# Altium PCB can-rs232.PcbDoc (continued)
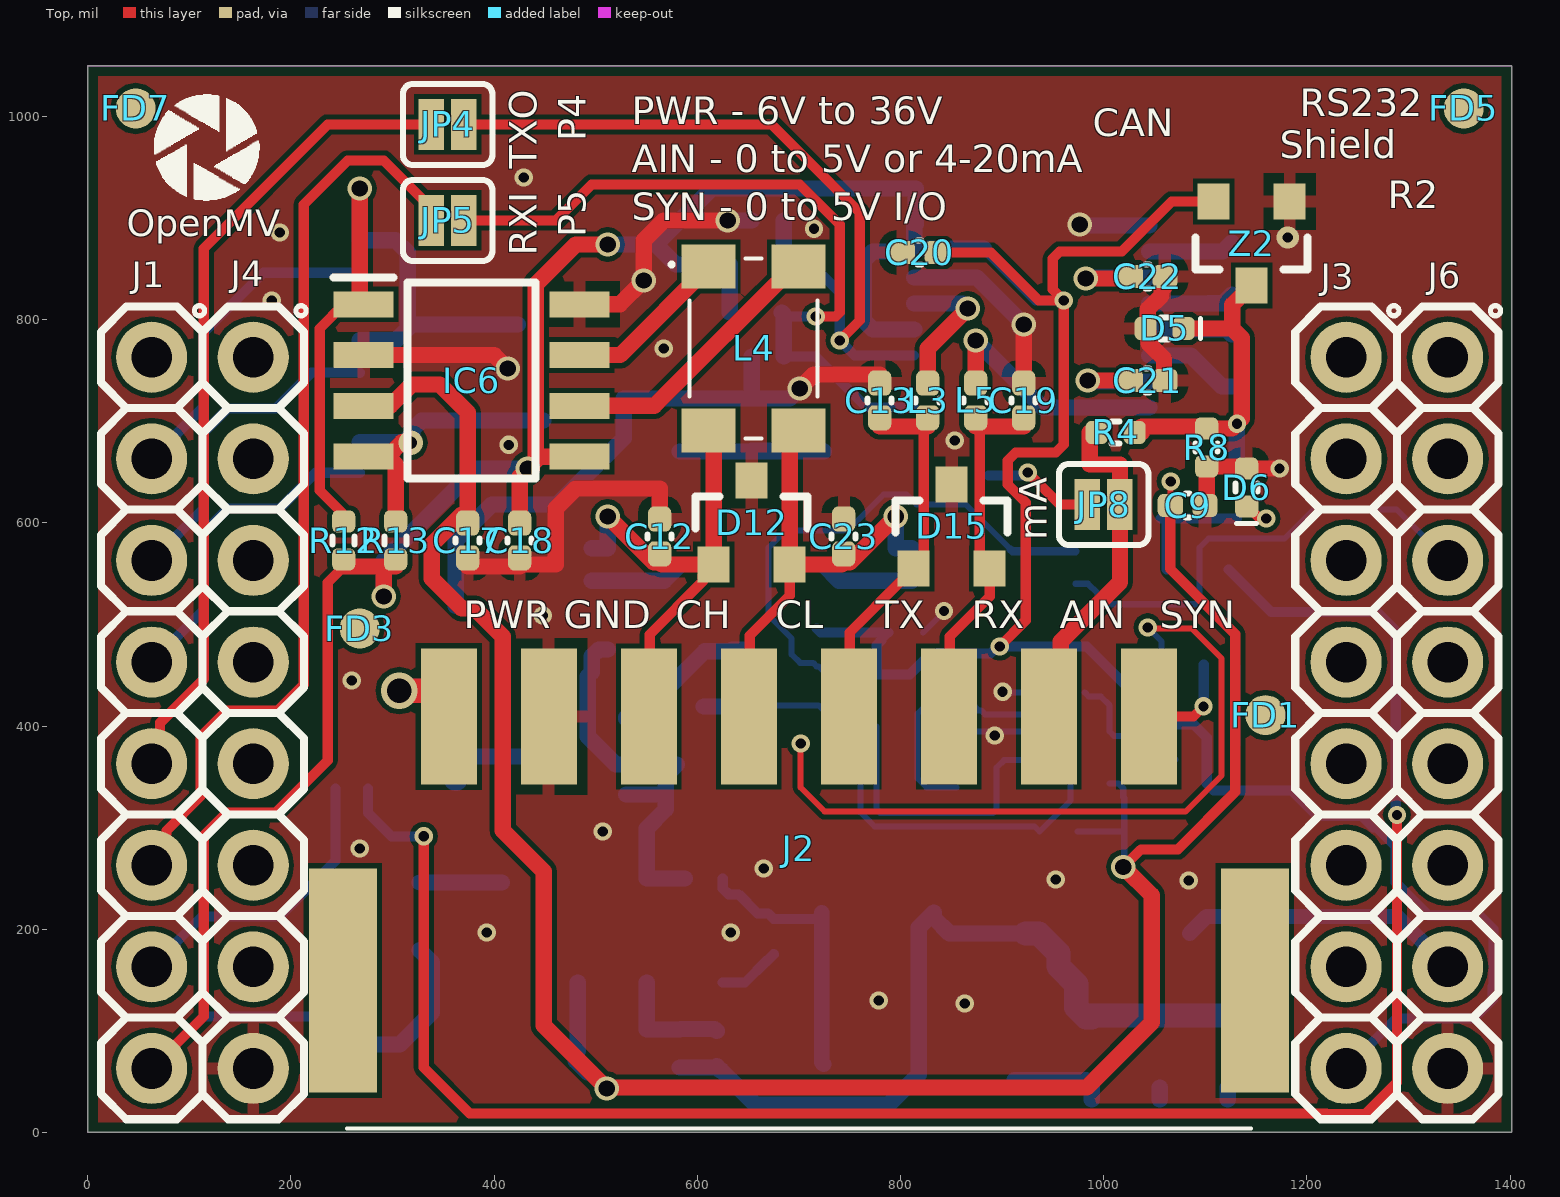
[diagram p0: Top view]
## Footprints (in the part's own frame and the unit in brackets; to place one, negate y for a bottom-side part, rotate by r counter-clockwise, add the part's x,y. Pads: shape width x height; smd on the part's side, far side on the other; paste and mask are expansions set on the pad) (continued)
SMAJ40CAE3TR13 [mm] "SMAJ40CAE3TR13"
  rect 1.9x2.39 smd: 1(-2.16,0) 2(2.16,0)
  silkscreen extent -3.8,-1.34 0.5,1.34, body extent -2.65,-1.47 2.63,1.45, height 2.41
SMT-JUMPER_2_NC_PASTE_SILK [mil] "SMT-JUMPER_2_NC_PASTE_SILK"
  rect 25x50 smd paste+0: 1(-16,0) 2(16,0)
  silkscreen extent -44,-40 44,40
SMT-JUMPER_2_NO_SILK [mil] "SMT-JUMPER_2_NO_SILK"
  rect 25x50 smd paste+0: 1(-16,0) 2(16,0)
  silkscreen extent -44,-40 44,40
SMT-JUMPER_3_1-NC_PASTE_SILK [mil] "SMT-JUMPER_3_1-NC_PASTE_SILK"
  rect 25x50 smd paste+0: 1(-32,0) 2(0,0) 3(32,0)
  silkscreen extent -60,-40 60,40
SOD3716X145N [mil] "SOD3716X145N"
  rect 47.24x29.53 smd: 1(-66.93,0) 2(66.93,0)
  silkscreen extent -91,-31 53,31, body extent -76,-27 76,27, height 32
SOIC127P600X175-8N [mm] "SOIC127P600X175-8N"
  rect 1.5x0.65 smd: 1(-2.7,1.905) 2(-2.7,0.635) 3(-2.7,-0.635) 4(-2.7,-1.905) 5(2.7,-1.905) 6(2.7,-0.635) 7(2.7,0.635) 8(2.7,1.905)
  silkscreen extent -3.45,-2.45 1.6,2.58, body extent -3.1,-2.45 3.1,2.45, height 1.75
SOP65P640X120-16N [mil] "SOP65P640X120-16N"
  rect 58.07x17.72 smd: 1(-115.67,89.57) 2(-115.67,63.98) 3(-115.67,38.39) 4(-115.67,12.8) 5(-115.67,-12.8) 6(-115.67,-38.39) 7(-115.67,-63.98) 8(-115.67,-89.57) 9(115.67,-89.57) 10(115.67,-63.98) 11(115.67,-38.39) 12(115.67,-12.8) 13(115.67,12.8) 14(115.67,38.39) 15(115.67,63.98) 16(115.67,89.57)
  silkscreen extent -145,-98 73,112, body extent -126,-98 126,98, height 44
SOT23-3 [mil] "SOT23-3"
  rect 31.5x35.43 smd: 1(-37.4,-39.37) 2(37.4,-39.37) 3(0,43.31)
  silkscreen extent -55,-4 55,28, body extent -59,-56 59,56, height 47
SOT65P210X110-5N [mm] "SOT65P210X110-5N"
  rect 1.2x0.4 smd: 1(-0.95,0.65) 2(-0.95,0) 3(-0.95,-0.65) 4(0.95,-0.65) 5(0.95,0.65)
  silkscreen extent -1.55,1.1 -0.35,1.1, body extent -1.01,-1.01 1.09,0.99, height 0.96
SOT65P212X110-5N [mm] "SOT65P212X110-5N"
  rect 1.05x0.4 smd: 1(-1,0.65) 2(-1,0) 3(-1,-0.65) 4(1,-0.65) 5(1,0.65)
  silkscreen extent -1.53,-1.02 0.12,1.1, body extent -1.01,-1.01 1.09,0.99, height 0.96
SOT95P280X100-6N [mil] "SOT95P280X100-6N"
  rect 41.34x21.65 smd: 1(-51.18,37.4) 2(-51.18,0) 3(-51.18,-37.4) 4(51.18,-37.4) 5(51.18,0) 6(51.18,37.4)
  silkscreen extent -72,-57 17,62, body extent -56,-59 56,59, height 44
SOT95P280X145-5N [mil] "SOT95P280X145-5N"
  rect 47.24x23.62 smd: 1(-49.21,37.4) 2(-49.21,0) 3(-49.21,-37.4) 4(49.21,-37.4) 5(49.21,37.4)
  silkscreen extent -73,-57 12,59, body extent -55,-59 55,59, height 46
SOTFL95P240X88-3N [mm] "SOTFL95P240X88-3N"
  rect 0.575x0.62 smd: 1(-1.188,0.95) 2(-1.188,-0.95) 3(1.188,0)
  silkscreen extent -1.47,-1.45 0.55,1.51, body extent -1.42,-1.5 1.42,1.5, height 1.11
SRF4532101Y [mm] "SRF4532101Y"
  rect 1.1x1.35 smd: 1(-2.05,-0.875) 2(2.05,-0.875) 3(2.05,1.375) 4(-2.05,1.375)
  silkscreen extent -2.25,-1.85 2.25,1.85, body extent -2.25,-1.35 2.25,1.85, height 2.8

## Part data
C1 C9 C10 C11 C14 C16 C17 C18 C20 C21 C22: library part CAP0402-CAP, "CapacitorStandard 0603 ceramic capacitor, and 0.1\" leaded capacitor.", MPN=GRM155R71H104KE14D, DeviceName=0402-CAP, DeviceSetName=CAP, GateName_1=G$1, LibraryName=sfe, SymbolName_1=CAP
C2 C12 C13 C19 C23: library part CAP0402-CAP, "CapacitorStandard 0603 ceramic capacitor, and 0.1\" leaded capacitor.", MPN=CC0402JRNPO9BN101, DeviceName=0402-CAP, DeviceSetName=CAP, GateName_1=G$1, LibraryName=sfe, SymbolName_1=CAP
C3 C4 C6 C7 C8: library part 22UF-0805-6.3V-20%, "22ÂµF ceramic capacitors    A capacitor is a passive two-terminal electrical component used to store electrical energy temporarily in an electric field.", MPN=CL21A226MQQNNNE, DeviceName=-0805-6.3V-20%, DeviceSetName=22UF, GateName_1=G$1, LibraryName=SparkFun-Capacitors, PROD_ID=CAP-08402, SymbolName_1=CAP
C5: library part C-EUC0805, "CAPACITOR, European symbol", MPN=GRM21BR61H106KE43K, DeviceName=C0805, DeviceSetName=C-EU, GateName_1=G$1, LibraryName=rcl, POPULARITY=88, SPICEPREFIX=C, SymbolName_1=C-EU
C15: library part CAP0402-CAP, "CapacitorStandard 0603 ceramic capacitor, and 0.1\" leaded capacitor.", MPN=GRM155R71H472JA01D, DeviceName=0402-CAP, DeviceSetName=CAP, GateName_1=G$1, LibraryName=sfe, SymbolName_1=CAP
D1 D3: "Diodes - General Purpose, Power, Switching GP Si Rectifier SMB,2A,40V   Source:  Datasheet", MANUFACTURER_NAME=Rectron, DeviceSetName=FM240A, GateName_1=G$1, HEIGHT=2.31mm, LibraryName=FM240A, MANUFACTURER_PART_NUMBER=FM240A, MOUSER_PART_NUMBER=583-FM240A, MOUSER_PRICE-STOCK=https://www.mouser.co.uk/ProductDetail/Rectron/FM240A?qs=7pEAo90IqNG7sknZwmLYhQ%3D%3D, MPN=FM240A, SymbolName_1=FM240A
D2 D5 D6 D7 D8 D9 D10 D11 D13 D14: "ESD Suppressors / TVS Diodes DIODE ESD 5VWM 65W 0402/SOD-923F   Source:  Datasheet", MANUFACTURER_NAME="Comchip Technology", DeviceSetName=CPDQT5V0HE-HF, GateName_1=G$1, HEIGHT=0.42mm, LibraryName=CPDQT5V0HE-HF, MANUFACTURER_PART_NUMBER=CPDQT5V0HE-HF, MOUSER_PART_NUMBER=MOUSER_PART_NUMBER, MOUSER_PRICE-STOCK=MOUSER_PRICE-STOCK, MPN=CPDQT5V0HE-HF, SymbolName_1=CPDQT5V0HE-HF
D4: "ESD Suppressors / TVS Diodes TVS   Source:  Datasheet", MANUFACTURER_NAME=Microchip, MANUFACTURER_PART_NUMBER=SMAJ40CAe3/TR13, DeviceSetName=SMAJ40CAE3_TR13, GateName_1=G$1, HEIGHT=3.05mm, LibraryName=SMAJ40CAe3_TR13, MOUSER_PART_NUMBER=494-SMAJ40CAE3/TR13, MOUSER_PRICE-STOCK=https://www.mouser.co.uk/ProductDetail/Microchip-Technology/SMAJ40CAe3-TR13?qs=pU29NIZ4ZwCw3PnlxOleOw%3D%3D, MPN=SMAJ40CAe3/TR13, SymbolName_1=SMAJ40CAE3_TR13
D12 D15: "CAN bus ESD protection diode    PESD1CAN is used to protect two CAN bus lines from ESD.   Link to datasheet   SparkFun Products: SparkFun CAN-BUS Shield", MPN=VCAN36A2-03S-E3-08, DeviceSetName=PESD1CAN, GateName_1=G$1, LibraryName=SparkFun-DiscreteSemi, PROD_ID=DIO-12501, SymbolName_1=PESD1CAN_DIODE
FD1 FD2 FD3 FD4 FD5 FD6 FD7 FD8: "Fiducial Alignment Points    Point-of-reference for pick-and-place machines and other optical instruments.", DeviceName=1X2, DeviceSetName=FIDUCIAL, GateName_1=G$1, LibraryName=SparkFun-Aesthetics, SymbolName_1=FIDUCIAL
IC1: "6-uA Quiescent Current, 1.8-A Switch Current Boost Converter   Source:  Datasheet", MANUFACTURER_NAME="Texas Instruments", DeviceSetName=TPS613222ADBVR, GateName_1=G$1, HEIGHT=1.45mm, LibraryName=TPS613222ADBVR, MANUFACTURER_PART_NUMBER=TPS613222ADBVR, MOUSER_PART_NUMBER=595-TPS613222ADBVR, MOUSER_PRICE-STOCK=https://www.mouser.co.uk/ProductDetail/Texas-Instruments/TPS613222ADBVR?qs=W0yvOO0ixfE4d69WXsn8NQ%3D%3D, MPN=TPS613222ADBVR, SymbolName_1=TPS613222ADBVR
IC2: "Switching Voltage Regulators DCDC Conv HV Buck TSOT26(STD) T&R 3K   Source:  Datasheet", MANUFACTURER_NAME="Diodes Inc.", DeviceSetName=AP64060WU-7, GateName_1=G$1, HEIGHT=1mm, LibraryName=AP64060WU-7, MANUFACTURER_PART_NUMBER=AP64060WU-7, MOUSER_PART_NUMBER=621-AP64060WU-7, MOUSER_PRICE-STOCK=https://www.mouser.co.uk/ProductDetail/Diodes-Incorporated/AP64060WU-7?qs=Li%252BoUPsLEntiZYjFw%252BCbiQ%3D%3D, MPN=AP64060WU-7, SymbolName_1=AP64060WU-7
IC3: "1-Channel industry standard low voltage operational amplifier   Source:  Datasheet", MANUFACTURER_NAME="Texas Instruments", DeviceSetName=LM321LVIDCKR, GateName_1=G$1, HEIGHT=1.1mm, LibraryName=LM321LVIDCKR, MANUFACTURER_PART_NUMBER=LM321LVIDCKR, MOUSER_PART_NUMBER=595-LM321LVIDCKR, MOUSER_PRICE-STOCK=https://www.mouser.co.uk/ProductDetail/Texas-Instruments/LM321LVIDCKR?qs=qSfuJ%252Bfl%2Fd6RcyTOjkRx5Q%3D%3D, MPN=LM321LVIDCKR, SymbolName_1=LM321LVIDCKR
IC4: "74LVC1G07 - Buffer with open-drain output@en-us   Source:  Datasheet", MANUFACTURER_NAME=Nexperia, DeviceSetName=74LVC1G07GW,125, GateName_1=G$1, HEIGHT=1.1mm, LibraryName=74LVC1G07GW_125, MANUFACTURER_PART_NUMBER=74LVC1G07GW,125, MOUSER_PART_NUMBER=771-74LVC1G07GW-G, MOUSER_PRICE-STOCK=https://www.mouser.co.uk/ProductDetail/Nexperia/74LVC1G07GW125?qs=me8TqzrmIYW763Mg%2FG86Uw%3D%3D, MPN=74LVC1G07GW,125, SymbolName_1=74LVC1G07GW,125
IC5: "3-V To 5.5-V Single Channel RS-232 1 Mbit/s Line Driver/Receiver   Source:  Datasheet", MANUFACTURER_NAME="Texas Instruments", DeviceSetName=SN65C3221EPWR, GateName_1=G$1, HEIGHT=1.2mm, LibraryName=SN65C3221EPWR, MANUFACTURER_PART_NUMBER=SN65C3221EPWR, MOUSER_PART_NUMBER=595-SN65C3221EPWR, MOUSER_PRICE-STOCK=https://www.mouser.co.uk/ProductDetail/Texas-Instruments/SN65C3221EPWR?qs=6siQ5y5nVCwNDulozFTH8A%3D%3D, MPN=SN65C3221EPWR, SymbolName_1=SN65C3221EPWR
IC6: "Microchip MCP2542FD-E/SN, CAN Transceiver 8Mbit/s 1-Channel CAN, ISO 11898-2, ISO 11898-5, ISO/DIS11898-2, 8-Pin SOIC   Source:  Datasheet", MANUFACTURER_NAME=Microchip, MANUFACTURER_PART_NUMBER=MCP2542FD-E/SN, DeviceSetName=MCP2542FD-E_SN, GateName_1=G$1, HEIGHT=1.75mm, LibraryName=MCP2542FD-E_SN, MOUSER_PART_NUMBER=579-MCP2542FD-E/SN, MOUSER_PRICE-STOCK=https://www.mouser.co.uk/ProductDetail/Microchip-Technology-Atmel/MCP2542FD-E-SN?qs=qdgZG5p0FZ5pNizBl1u80Q%3D%3D, MPN=MCP2542FD-E/SN, SymbolName_1=MCP2542FD-E_SN
J1 J3 J4 J6: library part HDR_1X8, MANUFACTURER P/N=SSQ-108-03-T-S
J2: "PCB terminal block, nominal current: 6 A, rated voltage (III/2): 160 V, nominal cross section: 0.5 mm?, Number of potentials: 8, Number of rows: 1, Number of positions per row: 8, product range: PTSM 0,5/..-H-SMD, pitch: 2.5 mm, connection method: Push-in spring connection, mounting: SMD soldering, conductor/PCB connection direction: 0 ?, color: black, Pin layout: Linear pad geometry, type of packaging: packed in cardboard   Source:  Datasheet", MANUFACTURER_NAME="Phoenix Contact", DeviceSetName=1771088, GateName_1=G$1, HEIGHT=5.22mm, LibraryName=1771088, MANUFACTURER_PART_NUMBER=1771088, MOUSER_PART_NUMBER=651-1771088, MOUSER_PRICE-STOCK=https://www.mouser.co.uk/ProductDetail/Phoenix-Contact/1771088?qs=Q77YN%2FRrsKIDMojcNKtpFQ%3D%3D, MPN=1771088, SymbolName_1=1771088
JP1 JP3 JP4 JP5 JP6 JP7 JP10 JP11: "Normally closed solder jumper    This jumper has an aperture in the stencil to allow solder paste to bridge the split in the wire so it's normally closed (NC). Wick off the solder to open the connection. Reapply solder to reclose the connection.", DeviceName=_SILK, DeviceSetName=JUMPER-SMT_2_NC_PASTE, GateName_1=G$1, LibraryName=SparkFun-Jumpers, SymbolName_1=SMT-JUMPER_2_NC_PASTE
JP2 JP8: "Normally open jumper    This jumper has two pads in close proximity to each other. Apply solder to close the connection.   Round pads are easier to solder for beginners, but are a lot larger.   SparkFun Product that uses the round pads:  SparkFun EL Sequencer", DeviceName=_SILK, DeviceSetName=JUMPER-SMT_2_NO, GateName_1=G$1, LibraryName=SparkFun-Jumpers, SymbolName_1=SMT-JUMPER_2_NO
JP9: "Normally closed solder jumper (1 of 2 connections)    This jumper has an aperture in the stencil to allow solder paste to bridge one of the two connections. One connection is normally closed (NC), while the other is normally open (NO). Wick off the solder to open the connection. Reapply solder to reclose the connection. Apply solder to the other side instead to change the current path.", DeviceName=_SILK, DeviceSetName=JUMPER-SMT_3_1-NC_PASTE, GateName_1=G$1, LibraryName=SparkFun-Jumpers, SymbolName_1=SMT-JUMPER_3_1-NC_PASTE
L1: "Fixed Inductors 4018 10uH 180mOhms +/-20%Tol 1200mA   Source:  Datasheet", MANUFACTURER_NAME="TAIYO YUDEN", DeviceSetName=NRS4018T100MDGJ, GateName_1=G$1, HEIGHT=1mm, LibraryName=NRS4018T100MDGJ, MANUFACTURER_PART_NUMBER=NRS4018T100MDGJ, MOUSER_PART_NUMBER=963-NRS4018T100MDGJ, MOUSER_PRICE-STOCK=https://www.mouser.co.uk/ProductDetail/TAIYO-YUDEN/NRS4018T100MDGJ?qs=PzICbMaShUeiyHfvjt6KEw%3D%3D, MPN=NRS4018T100MDGJ, SymbolName_1=NRS4018T100MDGJ
L2: "INDUCTOR, METAL CORE Check availability", PACKAGE="2016 Taiyo Yuden", AVAILABILITY="In Stock", DeviceSetName=MAKK2016T2R2M, GateName_1=G$1, LibraryName=MAKK2016T2R2M, MF="Taiyo Yuden", MP=MAKK2016T2R2M, MPN=MAKK2016T2R2M, PRICE=None, PURCHASE-URL=https://pricing.snapeda.com/search/part/MAKK2016T2R2M/?ref=eda, SymbolName_1=MAKK2016T2R2M
L3 L5: library part INDUCTOR0402, "InductorsBasic Inductor/Choke - 0603 and 1206. Footprints are not proven and vary greatly between part numbers.", MPN=MFBM1V1005-101-R, DeviceName=0402, DeviceSetName=INDUCTOR, GateName_1=G$1, LibraryName=sfe, SymbolName_1=INDUCTOR
L4: "Bourns Type 4532 Wire-wound SMD Inductor with a Ferrite Core, 11 uH -30  +50% Wire-Wound 300mA Idc   Source:  Datasheet", MANUFACTURER_NAME=Bourns, DeviceSetName=SRF4532-110Y, GateName_1=G$1, HEIGHT=3mm, LibraryName=SRF4532-110Y, MANUFACTURER_PART_NUMBER=SRF4532-110Y, MOUSER_PART_NUMBER=652-SRF4532-110Y, MOUSER_PRICE-STOCK=https://www.mouser.co.uk/ProductDetail/Bourns/SRF4532-110Y?qs=u649AIwumF8o5t6hcAfmlw%3D%3D, MPN=SRF4532-110Y, SymbolName_1=SRF4532-110Y
Q1: "MOSFET Small-signal MOSFET ID: -2A, VDSS: -60V   Source:  Datasheet", MANUFACTURER_NAME=Toshiba, DeviceSetName=SSM3J356R,LF, GateName_1=G$1, HEIGHT=0.88mm, LibraryName=SSM3J356R_LF, MANUFACTURER_PART_NUMBER=SSM3J356R,LF, MOUSER_PART_NUMBER=757-SSM3J356RLF, MOUSER_PRICE-STOCK=https://www.mouser.co.uk/ProductDetail/Toshiba/SSM3J356RLF?qs=lhkzy8lC%252BSsL%2F1yLGjMnQA%3D%3D, MPN=SSM3J356R,LF, SymbolName_1=SSM3J356R,LF
R1: library part RESISTOR0402-RES, "ResistorBasic schematic elements and footprints for 0603, 1206, and PTH resistors.", MPN=RC0402FR-07133KL, DeviceName=0402-RES, DeviceSetName=RESISTOR, GateName_1=G$1, LibraryName=sfe, SymbolName_1=RESISTOR
R2: library part RESISTOR0402-RES, "ResistorBasic schematic elements and footprints for 0603, 1206, and PTH resistors.", MPN=CR0402-FX-2212GLF, DeviceName=0402-RES, DeviceSetName=RESISTOR, GateName_1=G$1, LibraryName=sfe, SymbolName_1=RESISTOR
R3 R6 R7 R8: library part RESISTOR0402-RES, "ResistorBasic schematic elements and footprints for 0603, 1206, and PTH resistors.", MPN=AC0402FR-07100KL, DeviceName=0402-RES, DeviceSetName=RESISTOR, GateName_1=G$1, LibraryName=sfe, SymbolName_1=RESISTOR
R4: library part RESISTOR0402-RES, "ResistorBasic schematic elements and footprints for 0603, 1206, and PTH resistors.", MPN=RC0402JR-0751KL, DeviceName=0402-RES, DeviceSetName=RESISTOR, GateName_1=G$1, LibraryName=sfe, SymbolName_1=RESISTOR
R5 R9: library part R-US_R0603, "RESISTOR, American symbol", MPN=CR0603-FX-4700ELF, DeviceName=R0603, DeviceSetName=R-US_, GateName_1=G$1, LibraryName=rcl, POPULARITY=77, SPICEPREFIX=R, SymbolName_1=R-US
R10 R12 R13 R14 R15: library part RESISTOR0402-RES, "ResistorBasic schematic elements and footprints for 0603, 1206, and PTH resistors.", MPN=AC0402FR-1310KL, DeviceName=0402-RES, DeviceSetName=RESISTOR, GateName_1=G$1, LibraryName=sfe, SymbolName_1=RESISTOR
R11: library part R-US_R0603, "RESISTOR, American symbol", MPN=RK73B1JTTD241J, DeviceName=R0603, DeviceSetName=R-US_, GateName_1=G$1, LibraryName=rcl, POPULARITY=77, SPICEPREFIX=R, SymbolName_1=R-US
R16 R17: library part R-US_R1206, "RESISTOR, American symbol", MPN=RC1206FR-0760R4L, DeviceName=R1206, DeviceSetName=R-US_, GateName_1=G$1, LibraryName=rcl, POPULARITY=19, SPICEPREFIX=R, SymbolName_1=R-US
U1: "DiodesZetex 74LVC1G17SE-7, Buffer, Push-Pull, Non-Inverting, 1.65  5.5 V, 5-Pin SOT-353   Source:  Datasheet", MANUFACTURER_NAME="Diodes Inc.", DeviceSetName=74LVC1G17SE-7, GateName_1=G$1, HEIGHT=1.1mm, LibraryName=74LVC1G17SE-7, MANUFACTURER_PART_NUMBER=74LVC1G17SE-7, MOUSER_PART_NUMBER=621-74LVC1G17SE-7, MOUSER_PRICE-STOCK=https://www.mouser.co.uk/ProductDetail/Diodes-Incorporated/74LVC1G17SE-7?qs=FRHfhEBFk1dzIcstjqNcyA%3D%3D, MPN=74LVC1G17SE-7, SymbolName_1=74LVC1G17SE-7
Z1 Z3: "Zener Diode 5.1V 5% 500mW SOD123 Diodes Inc MMSZ5231B-7-F Zener Diode, 5.1V 5% 0.5 W SMT 2-Pin SOD-123   Source:  Datasheet", MANUFACTURER_NAME="Diodes Inc.", DeviceSetName=MMSZ5231B-7-F, GateName_1=G$1, HEIGHT=1.45mm, LibraryName=MMSZ5231B-7-F, MANUFACTURER_PART_NUMBER=MMSZ5231B-7-F, MOUSER_PART_NUMBER=621-MMSZ5231B-F, MOUSER_PRICE-STOCK=https://www.mouser.co.uk/ProductDetail/Diodes-Incorporated/MMSZ5231B-7-F?qs=2ygBApjwyeMh7Sf0YL1qSw%3D%3D, MPN=MMSZ5231B-7-F, SymbolName_1=MMSZ5231B-7-F

## Via types
v1: diameter 18, hole 10, Top to Bottom, tented both sides, 21 vias
v2: diameter 24/24 (per signal layer), hole 16, Top to Bottom, tented both sides, 18 vias
v3: diameter 18/18 (per signal layer), hole 10, Top to Bottom, tented both sides, 14 vias
v4: diameter 36/36 (per signal layer), hole 24, Top to Bottom, tented both sides, 1 vias
v5: diameter 24/24 (per signal layer), hole 12, Top to Bottom, tented both sides, 1 vias
v6: diameter 22, hole 10, Top to Bottom, tented both sides, 1 vias

## Nets (pads, with @x,y where several pads share a name; then routed paths per layer and width w, separated by ;. In a path a pad name is that pad's centre, name@x,y a point inside that pad or via, vN(x,y) a via of type N, cw(c..) or ccw(c..) an arc to the next point about the centre after c; other vN are vias at no path point)
AIN: J2.7 JP8.2 R4.2 | length 337.1
  Top w16: J2.7@948.82,409.45 957.64,418.27 957.64,483.23 1016,541.59 JP8.2 1016,657.48 986.22,657.48 R4.2@986.22,688.98
AIN_INT: D5.1 IC3.1 R4.1 R8.1 Z2.3 | length 345.3
  Top w16: R4.1@1037.4,688.98 1037.4,694.88 R8.1@1103.94,694.88 ; D5.1 1126.58,791.34 ; R8.1 1126.58,692.91 v1(1131.27,697.6) 1131.27,698.14 1135.95,702.83 1135.95,781.96 1126.58,791.34 ; Z2.3 1145.67,831.69 1137.92,823.94 1135.95,823.94 1126.58,814.57 1126.58,791.34
  Bottom w16: IC3.1 1130.9,697.23 v1(1131.27,697.6)
AIN_OUT: D6.1 IC3.3 IC3.4 R5.1 | length 150.4
  Top w10: D6.1 1141.62,616.14 1152.01,605.75 1158.46,605.75 v1(1159.99,604.22)
  Bottom w10: IC3.4 IC3.4@1059.13,604.33 ; R5.1 1062.01,601.46 IC3.4@1059.13,604.33 ; IC3.3 IC3.4@1059.13,604.33
AIN_S: JP8.1 R11.2 | length 111.5
  Top w10: v3(925.2,649.61) 956.69,618.11 JP8.1
  Bottom w10: R11.2@886.81,646.65 922.24,646.65 v3(925.2,649.61)
C1+: C14.1 IC5.2 | length 84.8
  Bottom w16: IC5.2 1117.13,867.13 C14.1@1125.98,875.98
C1-: C14.2 IC5.4 | length 84.9
  Bottom w16: IC5.4@1044.8,815.94 1102.68,815.94 1102.88,816.15 1117.33,816.15 C14.2@1125.98,824.8
C2+: C16.2 IC5.5 | length 83.2
  Bottom w16: IC5.5 1121.06,790.35 C16.2@1125.98,785.43
C2-: C16.1 IC5.6 | length 93.8
  Bottom w16: IC5.6 1085.63,764.76 1116.14,734.25 C16.1@1125.98,734.25
CAN_RX: D11.1 IC6.4 JP3.1 R13.2 | length 308.4
  Top w16: IC6.4 295.47,665.16 303.15,657.48 R13.2@303.15,608.27 ; IC6.4@295.08,665.16 309.23,679.31 316.4,679.31 v5@317.93,680.84
  Bottom w16: JP3.1@267.72,679.39 317.42,679.39 v5(317.93,678.87) ; v5@315.32,683.45 318.38,683.45 319.46,684.53 319.46,691.59 328.67,700.79 D11.1@448.7,700.79
CAN_RX_INT: J1.4 JP3.2 | length 326.7
  Bottom w10: J1.4 114.17,514.17 114.17,590.55 137.8,614.17 188.98,614.17 224.16,649.35 JP3.2@267.72,649.35
CAN_S: C15.1 R16.1 R17.2 | length 213.1
  Bottom w16: R16.1@582.68,670.16 724.41,670.16 723.31,671.26 C15.1@653.54,671.26
CAN_TX: D10.1 IC6.1 JP1.2 JP2.2 R12.2 | length 701.5
  Top w10: R12.2@251.97,608.27 228.35,631.89 228.35,791.34 252.17,815.16 IC6.1
  Top w16: v2(267.72,929.13) 267.72,819.09 IC6.1
  Bottom w16: JP2.2 303.4,779.78 314.96,791.34 ; v2(267.72,929.13) 267.72,878.2 302.9,878.2 314.96,866.14 314.96,791.34 ; D10.1@423.23,795.28 318.9,795.28 314.96,791.34
CAN_TX_INT: J1.2 JP1.1 | length 323.5
  Bottom w10: J1.2 114.17,714.17 114.17,787.4 172.98,846.2 JP1.1@267.72,846.2
CAN_TX_INT_2: J1.3 JP2.1 | length 325.3
  Bottom w10: J1.3 114.17,614.17 114.17,688.98 137.8,712.6 185.04,712.6 220.47,748.03 267.46,748.03 JP2.1
CANH: C12.2 D12.1 J2.3 JP10.2 L4.2 | length 480.5
  Top w10: J2.3@553.15,409.45 553.15,490.16 605.39,542.4 605.39,548.31 D12.1
  Top w16: v2(511.81,606.3) 557.09,561.02 562.99,561.02 564.96,559.06 D12.1 616.14,686.02 L4.2
  Bottom w16: JP10.2 511.81,575.06 v2(511.81,606.3)
CANH_INT: IC6.7 L4.1 | length 163.1
  Top w16: IC6.7 524.02,765.16 L4.1
CANH_J: JP10.1 R16.2 | length 92.9
  Bottom w16: JP10.1 567.54,543.06 R16.2@582.68,558.19
CANL: C23.1 D12.2 J2.4 JP11.1 L4.3 | length 472.4
  Top w10: J2.4@651.58,409.45 651.58,489.18 690.94,528.54 D12.2
  Top w16: L4.3 690.94,682.09 D12.2 742.13,559.06 744.09,561.02 750,561.02 v2(795.28,606.3)
  Bottom w16: v2(795.28,606.3) 795.28,575.06 JP11.1
CANL_INT: IC6.6 L4.4 | length 272.4
  Top w16: IC6.6 557.68,715.16 694.88,852.36 L4.4
CANL_J: JP11.2 R17.1 | length 92.9
  Bottom w16: R17.1@724.41,558.19 739.54,543.06 JP11.2
EXT_RXI: C19.1 D15.2 J2.6 L5.2 | length 354.7
  Top w10: J2.6@848.43,409.45 848.43,488.19 887.79,527.55 D15.2 877.95,564.96 877.95,690.94 L5.2@874.02,694.88
  Top w16: L5.2@874.02,694.88 C19.1@921.26,694.88
EXT_TXO: C13.2 D15.1 J2.5 L3.2 | length 365.6
  Top w10: J2.5@750,409.45 750,492.13 800.27,542.4 802.24,542.4 812.99,553.15 D15.1 822.83,564.96 822.83,690.94 L3.2@826.77,694.88
  Top w16: C13.2@779.53,694.88 L3.2@826.77,694.88
EXT_VIN: D4.2 J2.1 Q1.3 | length 263.3
  Top w24: v4(306.77,434.91) 342.71,434.91 358.27,419.35 J2.1@358.27,409.45
  Bottom w16: D4.2@362.2,370.08 Q1.3@425.67,370.08
  Bottom w24: v4(306.77,434.91) 344.61,434.91 362.2,417.32 362.2,370.08 D4.2
EXT_VIN_BST: C1.1 IC2.1 | length 62.1
  Bottom w10: IC2.1 647.05,147.64 668.37,168.96 668.85,168.96 675.2,175.31 C1.1
EXT_VIN_FB: C2.2 IC2.3 R1.2 R2.1 | length 115.4
  Bottom w16: R2.1 IC2.3 ; R2.1 R1.2@582.64,101.42 ; R1.2@583.26,101.96 616.94,101.96 C2.2
EXT_VIN_G: Q1.1 R3.1 Z1.2 | length 164.6
  Bottom w16: Q1.1 530.04,408.37 533.36,411.69 545.54,411.69 550.55,416.69 566.89,416.69 R3.1@568.9,418.7 ; R3.1 571.5,421.89 571.5,437.64 607.42,473.56 643.84,473.56 Z1.2 Z1.2@634.33,475.39
EXT_VIN_INT: C5.1 IC2.4 IC2.5 Q1.2 Z1.1 | length 397.7
  Bottom w16: Z1.1 502.96,475.39 496.19,468.63 496.19,452.88 492.13,448.82 492.13,389.76 519.69,362.2 C5.1 569.03,351.51 569.03,318.05 550.2,299.21 IC2.4 IC2.5 ; Q1.2 C5.1@567.91,332.68
EXT_VIN_OUT: C2.1 C6.2 C7.2 C8.2 D1.2 L1.2 R1.1 | length 786.1
  Bottom w16: R1.1 617.52,63.98 C2.1 619.09,64.57 622.51,61.15 623.5,61.15 657.09,27.56 788.39,27.56 817.91,57.09 817.91,201.77 L1.2 832.68,211.49 848.3,195.87 D1.2
  Bottom w24: D1.2 936.02,195.87 955.52,176.37 955.52,163.58 973.08,146.01 973.08,123.04 982.93,113.19 C6.2 ; C6.2@988.19,115.15 C7.2@1122.04,115.15
EXT_VIN_SW: C1.2 D3.1 IC2.6 L1.1 | length 272.7
  Bottom w10: IC2.6 625,240.15 630.82,234.33 640.66,234.33 659.3,215.69 669.54,215.69 C1.2 715.94,210.04 L1.1
  Bottom w15: L1.1 722.44,69.04 D3.1@724.42,67.06
GND: C3.1 C4.1 C5.2 C6.1 C7.1 C8.1 C9.1 C10.1 C11.1 C12.1 C13.1 C15.2 C17.2 C18.2 C19.2 C20.2 C21.2 C22.2 C23.2 D2.2 D3.2 D4.1 D5.2 D6.2 D7.2 D8.2 D9.2 D10.2 D11.2 D12.3 D13.2 D14.2 D15.3 IC1.2 IC2.2 IC3.2 IC4.3 IC5.1 IC5.14 IC6.2 IC6.8 J2.2 J4.8 J6.8 R2.2 R3.2 R8.2 R11.1 U1.3 Z2.1 Z3.2 | length 2110.4
  Top w16: IC6.2 400.2,765.16 v2(413.39,751.97) ; C17.2@374.02,557.09 425.2,557.09 427.17,559.06 460.63,559.06 460.63,614.17 480.32,633.86 562.99,633.86 C12.1@562.99,612.2 ; IC6.8 523.82,815.16 v2(547.24,838.58) 547.24,877.95 566.93,897.64 v2(629.92,897.64) ; v2(700.79,732.28) 714.57,746.06 C13.1@779.53,746.06 ; C19.2@921.26,746.06 v2(921.26,795.28) ; C22.2@1060.29,832.99 C22.2@1060.29,842.43 ; C22.2 C22.2@1060.29,842.43 ; C21.2 1059.43,741.17 1059.43,761.44 1044.16,776.7 1044.16,788.51 D5.2 1043.44,793.44 1043.44,810.18 1056.97,823.7 1056.97,839.1 C22.2@1060.29,842.43 ; C9.1 1101.38,618.7 R8.2 1138.78,655.51 D6.2 v1(1173.16,653.54)
  Bottom w6: C10.1 842.85,512.73 v1(842.85,513.3) ; IC4.3 868.11,399.61 873.03,394.68 U1.3 ; v1(900.53,433.8) 901.25,433.07 D9.2
  Bottom w16: D4.1 362.2,582.68 397.64,618.11 462.2,618.11 527.56,683.46 527.56,700.79 527.56,722.44 C15.2@653.54,722.44 ; R3.2 640.74,419.29 D7.2 641.73,375 C5.2 ; v2(629.92,897.64) D13.2@653.54,897.64 ; D14.2@653.54,763.78 C15.2@653.54,722.44 ; v2(700.79,732.28) 690.94,722.44 C15.2@653.54,722.44 ; IC5.14 875,841.54 v2(921.26,795.28) ; D3.2@912.32,51.59 982.87,51.59 C6.1 ; v2(976.38,893.7) 977.36,892.72 IC5.1 ; C6.1@988.19,32.48 C6.1@988.19,44.29 ; C8.1@1055.12,32.48 C8.1@1055.12,44.29 ; C7.1@1122.04,32.48 C7.1@1122.04,44.29
  other v1: 863.19,126.97 778.54,129.92 392.72,196.85 632.87,196.85 1083.66,248.03 952.76,249.02 665.35,259.84 506.89,296.26 892.72,390.75 447.83,508.86 853.35,681.1 429.13,939.96
  other v3: 267.72,279.53 259.84,444.88 414.43,676.8 566.93,771.65 181.1,818.9 188.98,885.83 714.92,889.53
  other v6: 1181.1,880.91
P6_ADC: JP6.2 R5.2 | length 1940.7
  Top w10: v3(330.71,291.63) 330.71,63.98 375.98,18.7 1219.23,18.7 1219.94,17.99 1257.22,17.99 1288.63,49.4 v3(1288.63,312.54)
  Bottom w10: JP6.2@275.84,338.58 275.84,314.71 299.21,291.34 330.71,291.34 v3(330.71,291.63) ; R5.2 1164.75,512.42 1268.88,512.42 1287.4,493.9 1287.4,313.77 v3(1288.63,312.54)
P6_ADC_INT: J1.7 JP6.1 | length 295.2
  Bottom w10: J1.7 112.6,212.6 188.98,212.6 243.84,267.46 JP6.1@243.84,338.58
P10_FSYNC: D8.1 IC4.4 JP7.2 R7.2 U1.2 | length 863.9
  Bottom w6: D8.1 864.17,618.11 815.94,618.11 806.1,627.95 783.46,627.95 748.03,592.52 687.01,592.52 670.28,575.79 670.28,508.86 692.91,486.22 692.91,470.47 701.25,462.13 714.05,462.13 R7.2 719.47,458.66 727.3,450.83 728.3,450.83 766.17,412.97 766.17,404.48 771.04,399.61 IC4.4 776.57,318.03 780.09,314.51 891.17,314.51 894.68,318.03 894.68,359.25 902,366.57 928.58,366.57 U1.2
  Bottom w8: D8.1 910.17,572.1 JP7.2
P10_FSYNC_INT: J6.3 JP7.1 | length 468.7
  Bottom w6: JP7.1 984.46,540.1 993.96,530.6 993.96,523.39 997.47,519.88 1090.74,519.88 1094.49,523.62 1094.49,575.79 1103.35,584.65 1178.15,584.65 1206.69,613.19 1288.38,613.19 J6.3
RS232_RXI: D14.1 IC5.9 JP5.2 R15.2 | length 738.3
  Top w10: JP5.2 460.63,897.64 496.06,933.07 700.79,933.07 740.16,893.7 740.16,807.09 736.22,803.15 v3(716.54,803.15)
  Bottom w10: D14.1@685.04,763.78 716.54,763.78 766.73,713.58 IC5.9 ; R15.2@685.04,805.12 687.01,803.15 v3(716.54,803.15)
  Bottom w16: R15.2@683.07,807.09 685.04,805.12 D14.1@685.04,763.78
RS232_RXI_INT: J1.6 JP5.1 | length 917
  Top w10: J1.6 62.99,279.23 77.51,293.75 77.51,297.11 111.02,330.61 111.02,389.56 136.81,415.35 187.01,415.35 212.6,440.94 212.6,913.39 255.91,956.69 291.34,956.69 338.33,909.7 JP5.1
RS232_TXO: D13.1 IC5.11 JP4.2 R14.2 | length 797.7
  Top w10: JP4.2 673.23,992.13 759.84,905.51 759.84,799.21 v3(740.16,779.53)
  Bottom w10: R14.2@685.04,856.3 710.63,856.3 740.16,826.77 v3(740.16,779.53) 754.92,764.76 IC5.11
  Bottom w16: R14.2@683.07,854.33 685.04,856.3 D13.1@685.04,897.64
RS232_TXO_INT: J1.5 JP4.1 | length 803
  Top w10: J1.5 71.3,371.3 71.3,403.32 114.17,446.2 114.17,870.08 236.22,992.13 JP4.1
RXI: IC5.8 L5.1 | length 231.6
  Top w16: L5.1@874.02,746.06 v2(874.02,779.53)
  Bottom w16: v2(874.02,779.53) 939.96,713.58 IC5.8
SW: IC1.1 L2.2 | length 80.8
  Bottom w16: L2.2@326.77,245.94 407.36,245.94 IC1.1
SYNC: J2.8 JP9.2 | length 96.4
  Top w10: J2.8@1047.25,409.45 1088.33,409.45 v3(1098.26,419.39)
  Bottom w10: v3(1098.26,419.39) 1098.43,419.55 JP9.2
SYNC_IN: JP9.3 R10.2 | length 730.2
  Top w6: v1(701.77,382.87) 701.77,339.57 725.39,315.94 1080.71,315.94 1116.14,351.38 1116.14,466.54 1086.61,496.06 1044.29,496.06 v1@1042.32,498.03
  Bottom w6: v1(1043.31,497.05) 1056.93,483.42 1056.93,470.13 JP9.3
SYNC_IN_INT: D7.1 IC4.2 R6.2 R10.1 Z3.1 | length 740.9
  Bottom w6: D7.1 R10.1 742.13,397.64 742.13,386.81 760.83,368.11 760.83,314.96 774.61,301.18 932.09,301.18 R6.2 967.52,326.77 967.52,407.9 964,411.42 883.36,411.42 879.3,415.48 876.5,415.48 872.98,419 872.98,420.32 868.11,425.2 IC4.2 854.75,424.63 829.16,424.63 816.93,412.4 816.93,348.43 825.79,339.57 Z3.1
SYNC_OUT: JP9.1 R9.2 | length 79.3
  Bottom w6: JP9.1 1131.89,459.17 R9.2@1131.89,381.89
SYNC_OUT_INT: D9.1 R9.1 U1.4 | length 131.9
  Bottom w6: D9.1 985.26,429.11 997.07,429.11 1005.9,420.28 U1.4 1010.38,390.21 1047.06,390.21 1070.14,367.13 R9.1
TXO: IC5.13 L3.1 | length 136
  Top w16: L3.1@826.77,746.06 826.77,771.65 v2(866.14,811.02)
  Bottom w16: IC5.13@813.46,815.94 861.22,815.94 v2(866.14,811.02)
V+: C22.1 IC5.3 | length 100
  Top w16: v2(982.28,840.55) 1015.75,840.55 C22.1@1017.72,842.52
  Bottom w16: v2(982.28,840.55) 984.25,842.52 985.24,841.54 IC5.3
V-: C21.1 IC5.7 | length 94.4
  Top w16: v2(984.25,740.16) C21.1@1017.72,740.16
  Bottom w16: v2(984.25,740.16) 985.24,739.17 IC5.7
V_BATT: C4.2 C9.2 C11.2 C17.1 IC1.4 IC3.5 IC6.3 R6.1 U1.5 | length 2344.7
  Top w6: C9.2 1065.76,617.34 1065.76,640.57 v1(1065.98,640.78)
  Top w10: v2(1019.38,261.35) 1036.57,278.54 1072.83,278.54 1129.55,335.26 1129.55,490.53 1065.55,554.53 C9.2
  Top w16: IC6.3 297.83,715.16 318.9,736.22 346.46,736.22 374.02,708.66 374.02,608.27 368.11,608.27 338.58,578.74 338.58,545.28 368.11,515.75 380.91,515.75 408.46,488.19 408.46,297.24 448.82,256.89 448.82,105.31 v2(510.83,43.31) 511.81,44.29 983.27,44.29 1047.24,108.26 1047.24,233.49 v2(1019.38,261.35)
  Bottom w6: R6.1 C11.2 ; U1.5 1014.39,343.5 1019.26,338.63 1019.26,330.14 1020.28,329.13 C11.2 ; v2(1019.38,261.35) 1020.28,262.25 C11.2
  Bottom w16: IC1.4 482.28,80.71 480.32,78.74 480.32,70.67 492.06,58.93 495.2,58.93 v2(510.83,43.31)
VCC: C3.2 C10.2 C18.1 C20.1 D2.1 IC4.5 IC5.12 IC5.15 IC5.16 IC6.5 J1.8 J3.8 L2.1 R7.1 R12.1 R13.1 R14.1 R15.1 Z2.2 | length 4429
  Top w10: J1.8 114.17,114.17 114.17,292.32 136.81,314.96 185.04,314.96 236.22,366.14 236.22,541.34 R12.1@251.97,557.09 ; C20.1 888.78,866.14 936.02,818.9 v3(960.63,818.9) ; v1(897.64,478.35) 923.32,504.03 923.32,619.99 905.51,637.8 905.51,661.42 913.39,669.29 952.76,669.29 960.63,677.17 v3(960.63,818.9) ; Z2.2 1066.93,916.34 1017.72,867.13 956.69,867.13 949.8,860.24 949.8,829.73 v3(960.63,818.9)
  Top w16: R12.1@251.97,557.09 291.34,557.09 ; v2(291.34,527.56) 291.34,557.09 ; R13.1@303.15,557.09 291.34,557.09 ; C18.1@425.2,608.27 425.2,645.67 v2(433.07,653.54) ; IC6.5 444.69,665.16 v2(433.07,653.54) ; v2(511.81,874.02) 480.32,874.02 440.94,834.65 440.94,661.42 v2(433.07,653.54)
  Bottom w10: J1.8 114.17,114.17 255.91,114.17 D2.1@283.46,86.61 ; R7.1 721.46,492.13 C10.2@787.51,492.13 ; C10.2 C10.2@787.51,492.13 ; 881.89,870.08 933.07,818.9 v3(960.63,818.9) ; J3.8 1287.79,112.2 1364.17,112.2 1382.87,130.91 1382.87,143.64 1383.58,144.35 1383.58,200.08 1370.08,213.58 1319.88,213.58 1287.4,246.06 1287.4,281.5 1268.7,300.2 1265.01,300.2 1253.69,311.52 1210.14,311.52 1185.04,336.61 1108.27,336.61 1101.38,343.5 1101.38,388.78 1088.58,401.57 1060.04,401.57 983.27,478.35 v1(897.64,478.35) 895.47,478.35 888.58,471.46 845.47,471.46 844.91,472.02 836.62,472.02 835.31,470.71 828.98,470.71 809.05,450.79 IC4.5 776.57,479.85 781.17,484.44 781.17,485.78 C10.2@787.51,492.13
  Bottom w16: D2.1@283.46,86.61 307.09,86.61 338.58,118.11 338.58,167.44 L2.1@326.77,179.25 ; v2(291.34,527.56) 291.34,562.99 381.89,653.54 v2(433.07,653.54) ; v2(511.81,874.02) 559.06,874.02 ; R15.1@631.89,807.09 631.89,854.33 578.74,854.33 559.06,874.02 ; IC5.12 772.64,790.35 763.78,799.21 763.78,858.27 772.64,867.13 IC5.15 ; 881.89,870.08 816.42,870.08 IC5.15 ; 559.06,874.02 614.17,929.13 814.96,929.13 814.96,894.21 IC5.16 IC5.15
VIN: D1.1 J6.7 | length 281.4
  Bottom w15: D1.1 1101.38,212.6 1288.97,212.6 J6.7
pads on no net: FD1.1 FD2.1 FD3.1 FD4.1 FD5.1 FD6.1 FD7.1 FD8.1 IC1.3 IC1.5 IC4.1 IC5.10 J1.1 J2.9 J2.10 J3.1 J3.2 J3.3 J3.4 J3.5 J3.6 J3.7 J4.1 J4.2 J4.3 J4.4 J4.5 J4.6 J4.7 J6.1 J6.2 J6.4 J6.5 J6.6 U1.1

## Polygon pours and split planes (outlines as drawn)
GND on Top "Polygon_2_Net_GND" (solid, remove dead copper, pour order 1): -2.06,-2.06 1403.64,-2.06 1403.64,1057.18 -2.06,1057.18
GND on Bottom "Polygon_1_Net_GND" (solid, remove dead copper, pour order 0): 1.87,1.87 1399.7,1.87 1399.7,1053.24 1.87,1053.24

## Keep-outs
Keep-Out Layer:
  the board outline again, w0

## Silkscreen, mask and mechanical layers (free items; w line width, h text height)
Top Overlay:
  drawing of 262 lines, arcs and shapes, not listed
  text "RS232" at 1192.91,1000 h27.2
  text "PWR - 6V to 36V" at 535.43,992.13 h27.2
  text "CAN" at 989.17,980.32 h27.2
  text "P4" at 490.23,975.69 h27.2 r90
  text "Shield" at 1173.23,958.66 h27.2
  text "TXO" at 442.23,948.5 h27.2 r90
  text "AIN - 0 to 5V or 4-20mA" at 535.43,944.88 h27.2
  text "R2" at 1279.53,909.45 h27.2
  text "SYN - 0 to 5V I/O" at 535.43,897.64 h27.2
  text "OpenMV" at 38.39,881.89 h26.35
  text "P5" at 490.23,881.2 h27.2 r90
  text "RXI" at 442.23,863.07 h27.2 r90
  text "mA" at 943.9,582.68 h27.2 r90
  text "PWR" at 370.08,496.06 h27.2
  text "GND" at 468.5,496.06 h27.2
  text "CH" at 578.74,496.06 h27.2
  text "CL" at 677.17,496.06 h27.2
  text "TX" at 775.59,496.06 h27.2
  text "RX" at 870.08,496.06 h27.2
  text "AIN" at 956.69,496.06 h27.2
  text "SYN" at 1055.12,496.06 h27.2
Bottom Overlay:
  drawing of 1318 lines, arcs and shapes, not listed
  text "CAN/RS232 Shield R2" at 692.91,992.13 h27.2
  text "https://openmv.io" at 692.91,944.88 h27.2
  text "8.21.23" at 614.17,897.64 h27.2
  text "P1" at 374.38,873.2 h27.2 r270
  text "OpenMV" at 1353.35,865.16 h26.35
  text "CTX" at 326.38,836.94 h27.2 r270
  text "P2" at 374.38,769.64 h27.2 r270
  text "CTX" at 326.38,742.45 h27.2 r270
  text "P3" at 374.38,671.22 h27.2 r270
  text "FSYNC" at 1027.56,660.43 h27.2
  text "CRX" at 326.38,644.03 h27.2 r270
  text "TRM" at 529.53,616.14 h27.2
  text "P10" at 1023.62,615.16 h27.2
  text "O" at 1161.42,526.57 h27.2 r90
  text "I" at 1076.77,520.67 h27.2 r90
  text "TRM" at 858.27,515.75 h27.2 r270
  text "P6" at 220.47,389.76 h27.2 r270
  text "ADC" at 268.47,389.76 h27.2 r270
  text "RAW" at 228.35,125.98 h27.2 r270
  text "VIN" at 1277.56,125.98 h25 r270
  text "GND" at 1277.56,31.5 h25 r270
  text "GND" at 228.35,23.62 h27.2 r270